# Altium PCB Ultra_CAP.PcbDoc (part 1 of 2)
Units mil, origin at the board's own origin, x right, y up, seen from the top; angles counter-clockwise.
Board outline 3000 x 3000 mil, 6 copper layers (Top Layer, GNDA, PWR, SIG, GNDB, Bottom Layer), stack 60.56 mil thick; 183 components, 111 nets, 622 pads, 357 vias.
Unrouted connection lines stored in the file: 2.
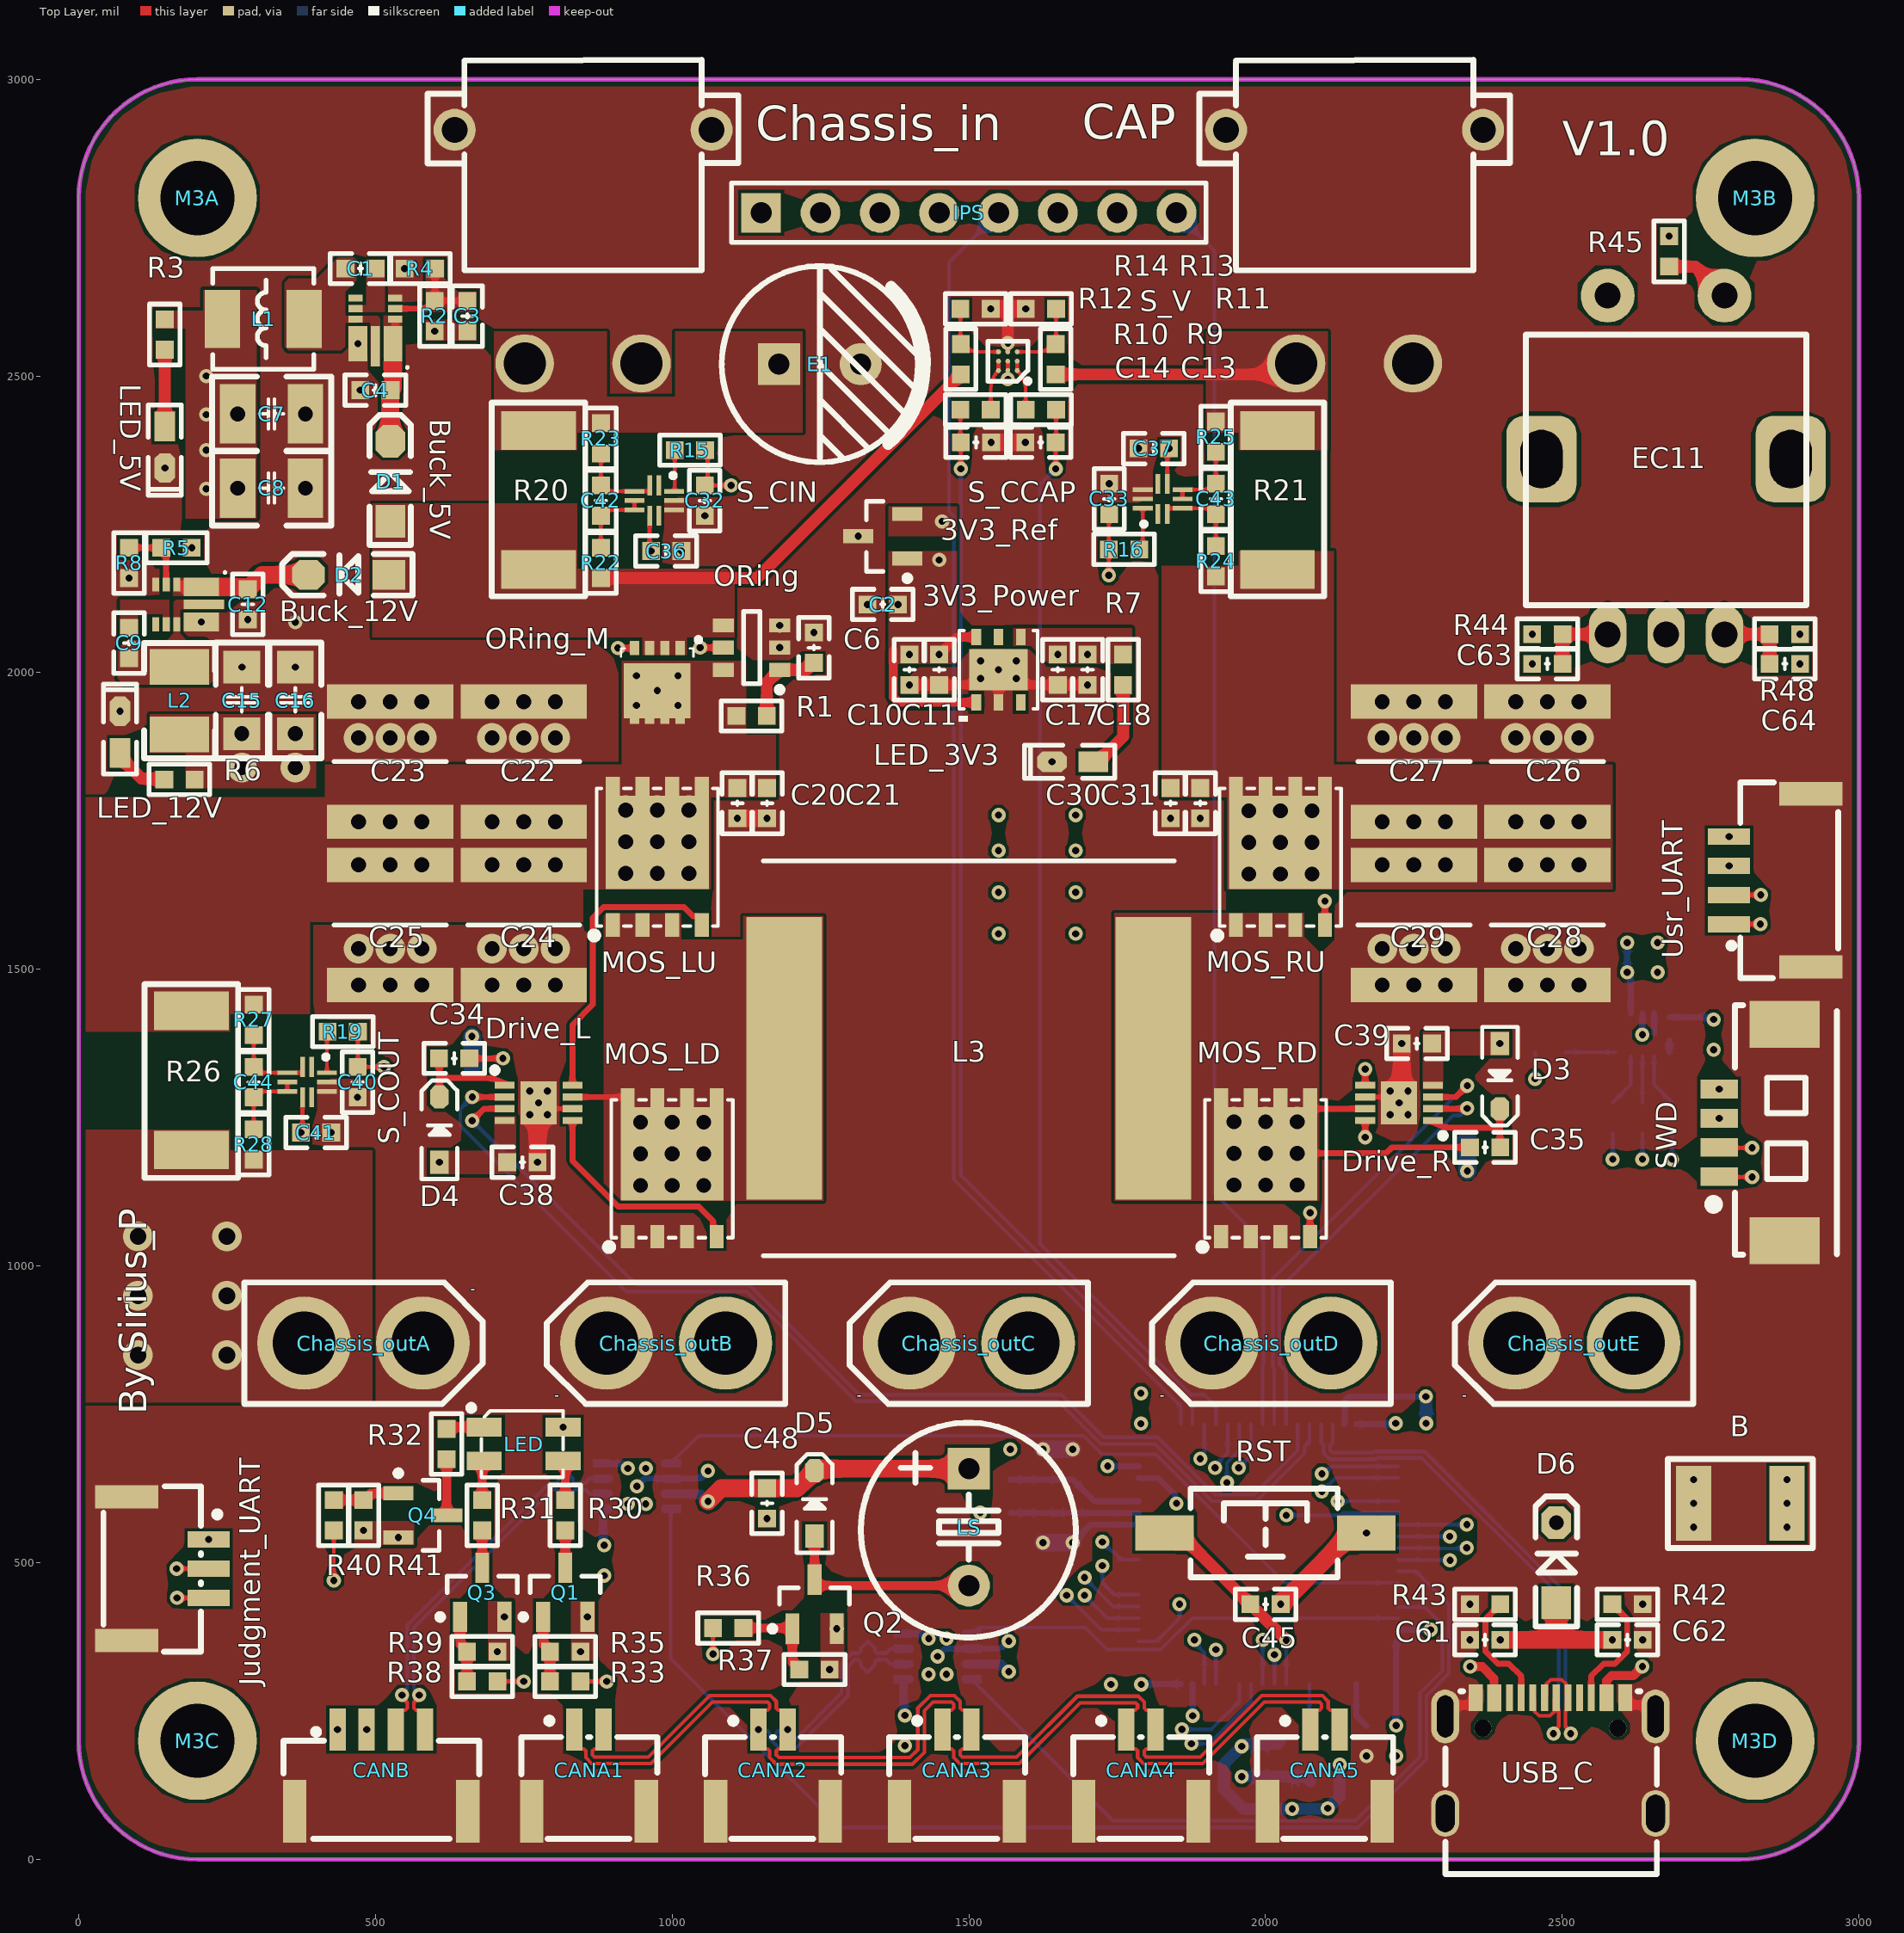
[diagram p0: Top Layer view]
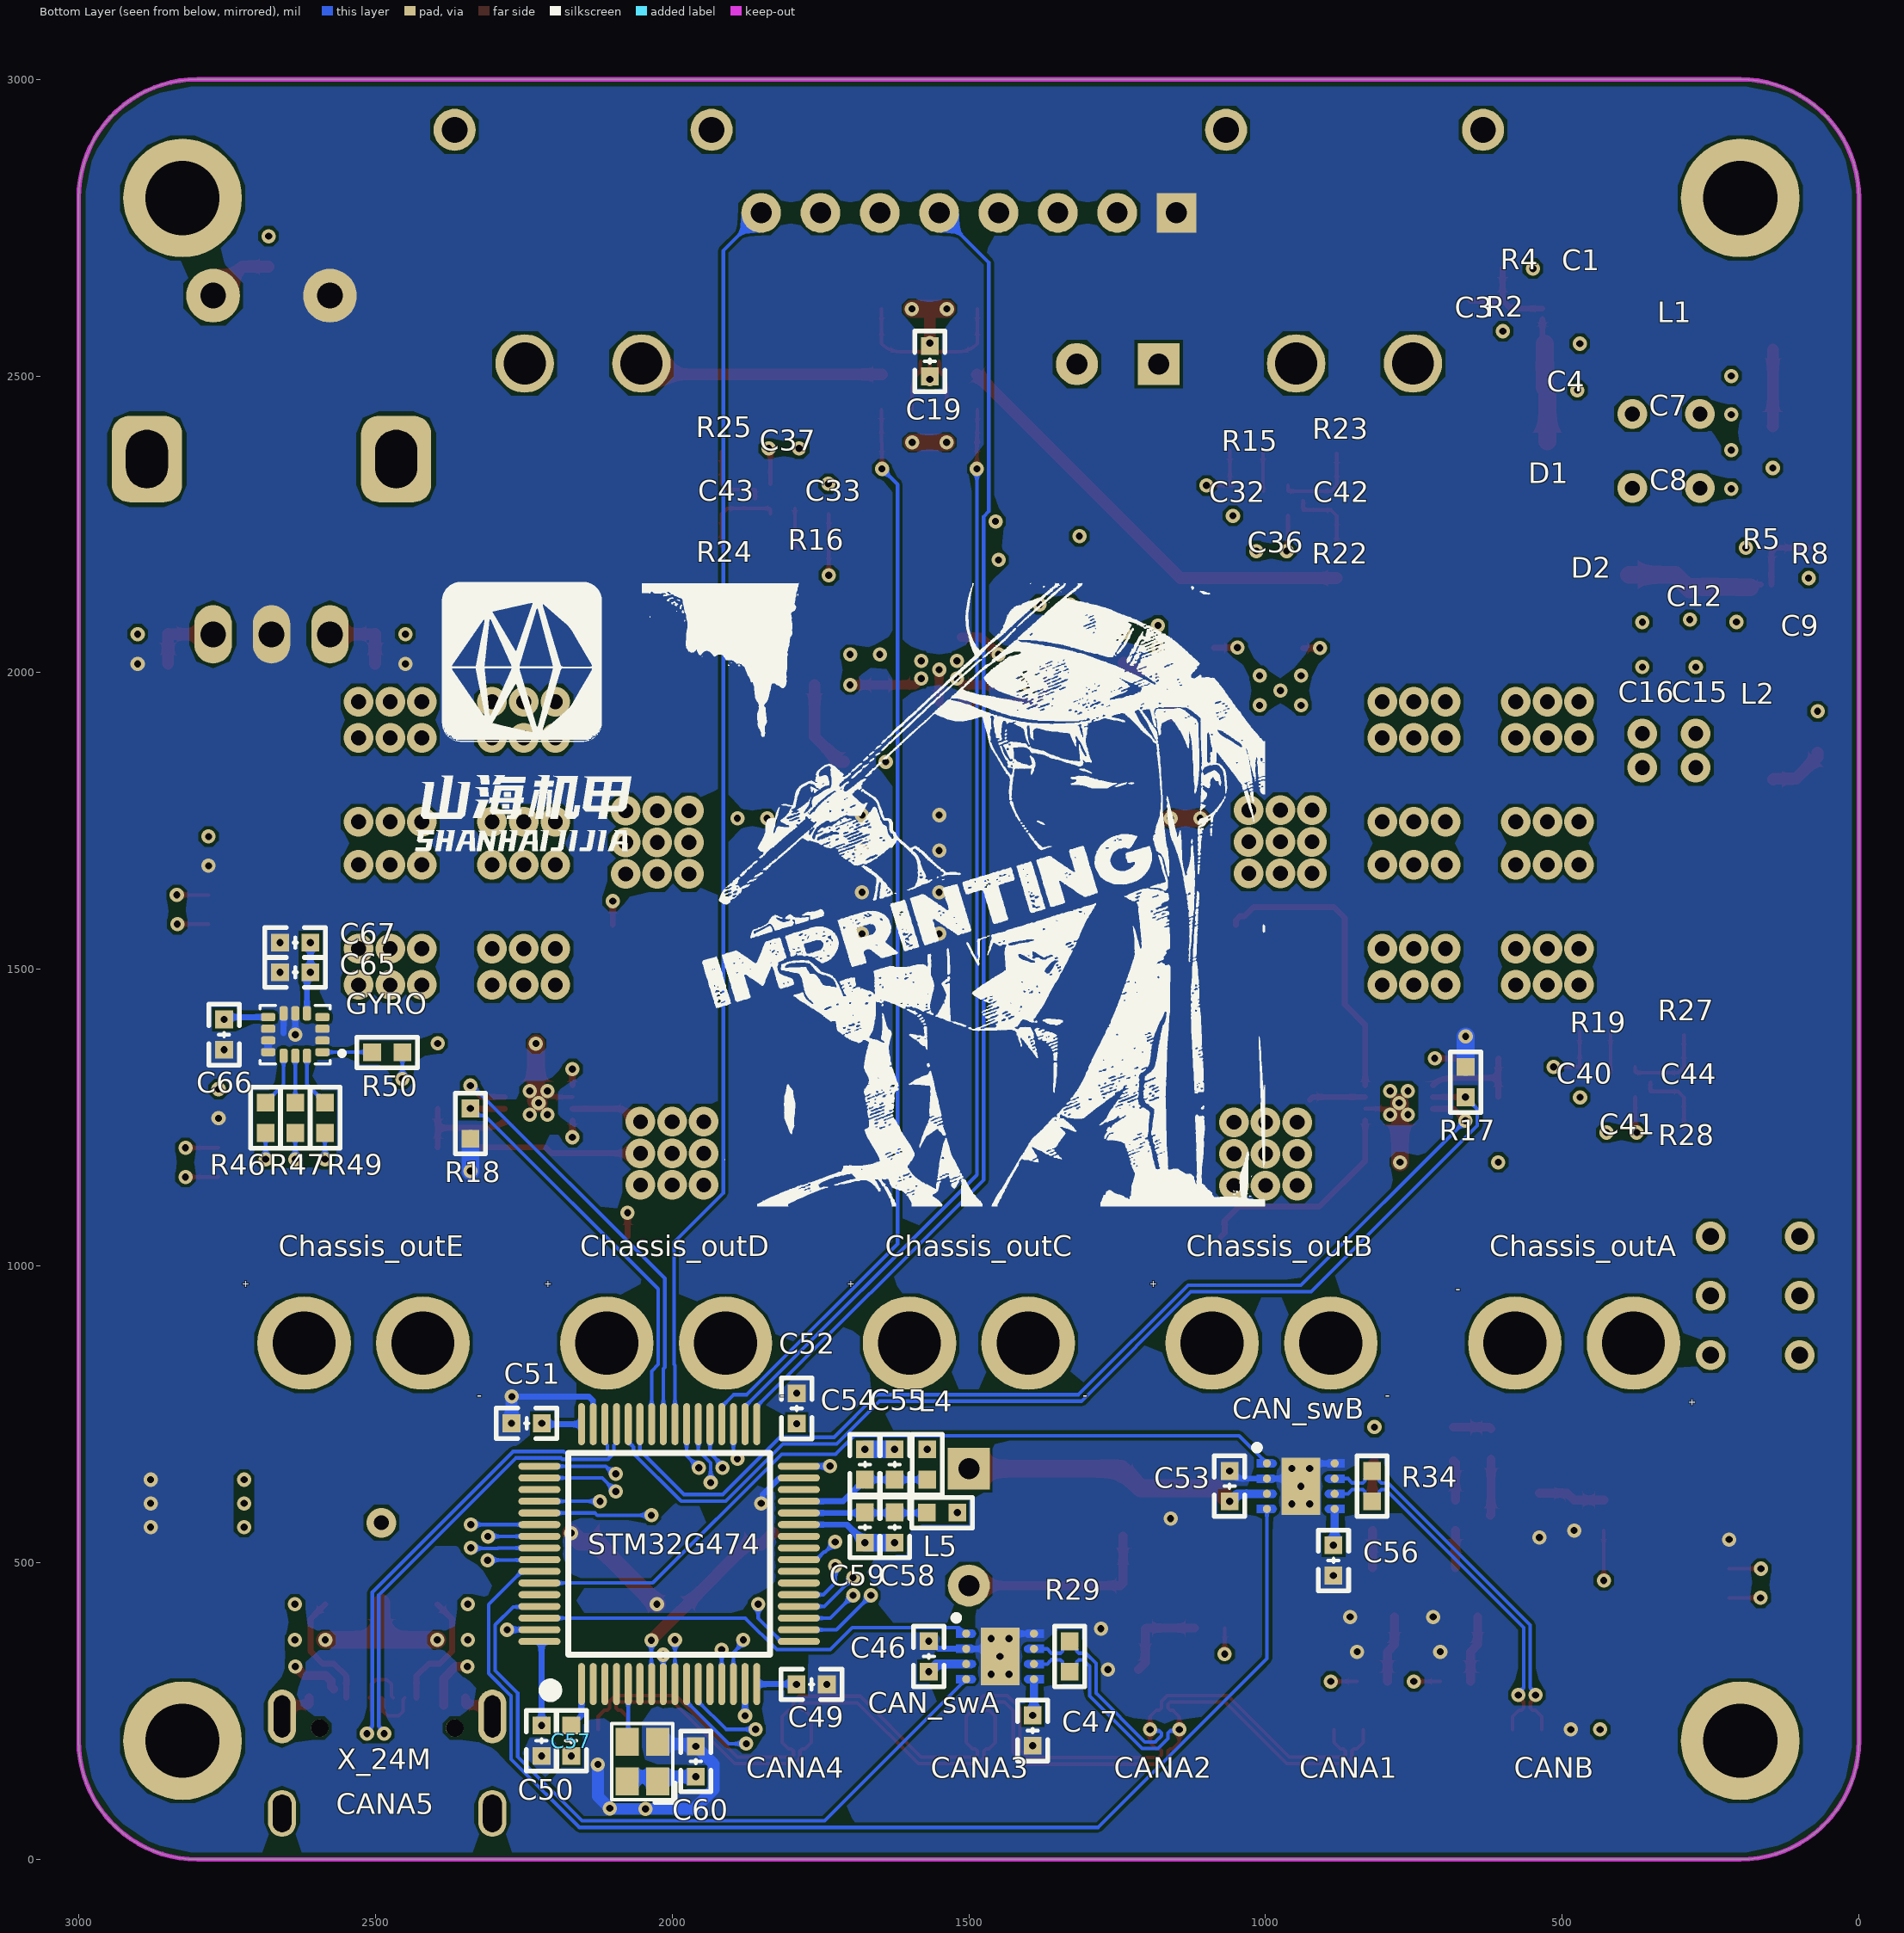
[diagram p1: Bottom Layer view, seen from below]
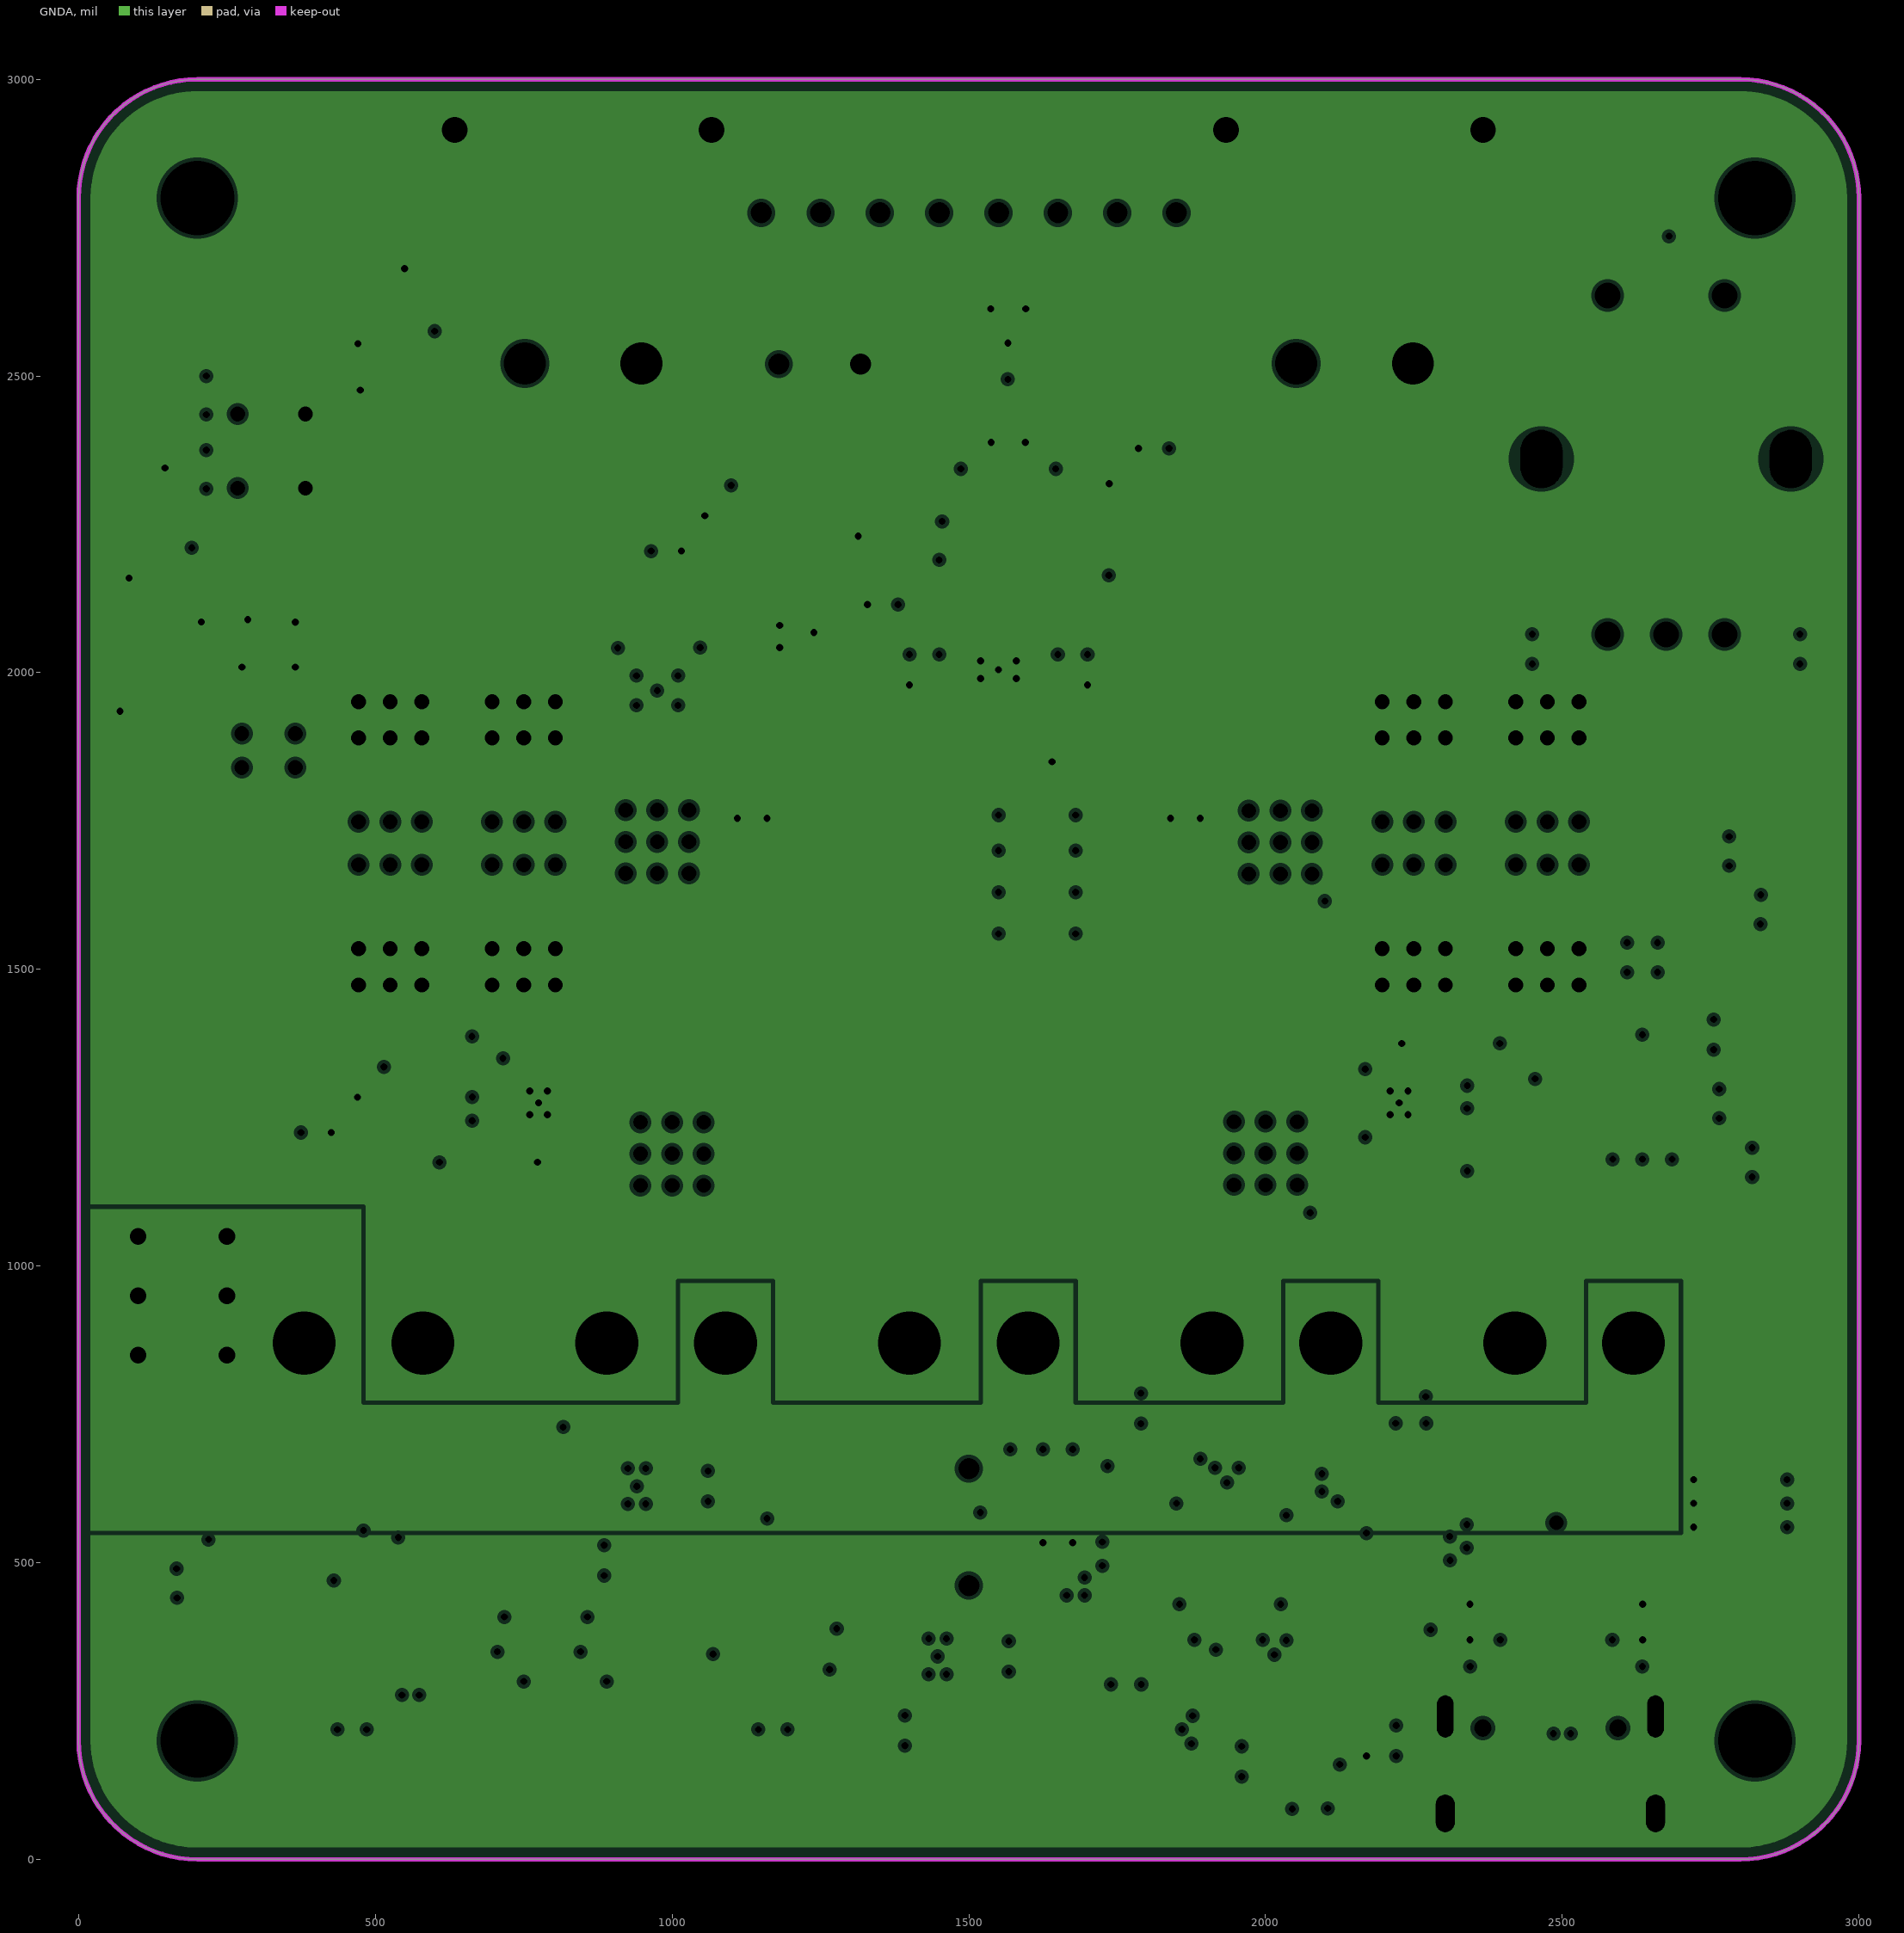
[diagram p2: GNDA, clearances drawn from the general rule]